# Altium PCB Tailsitter_pcb.PcbDoc
Units mm, origin at the board's own origin, x right, y up, seen from the top; angles counter-clockwise.
Board outline 55.99 x 40.07 mm, 2 copper layers (Top Layer, Bottom Layer); 62 components, 78 nets, 360 pads, 57 vias.
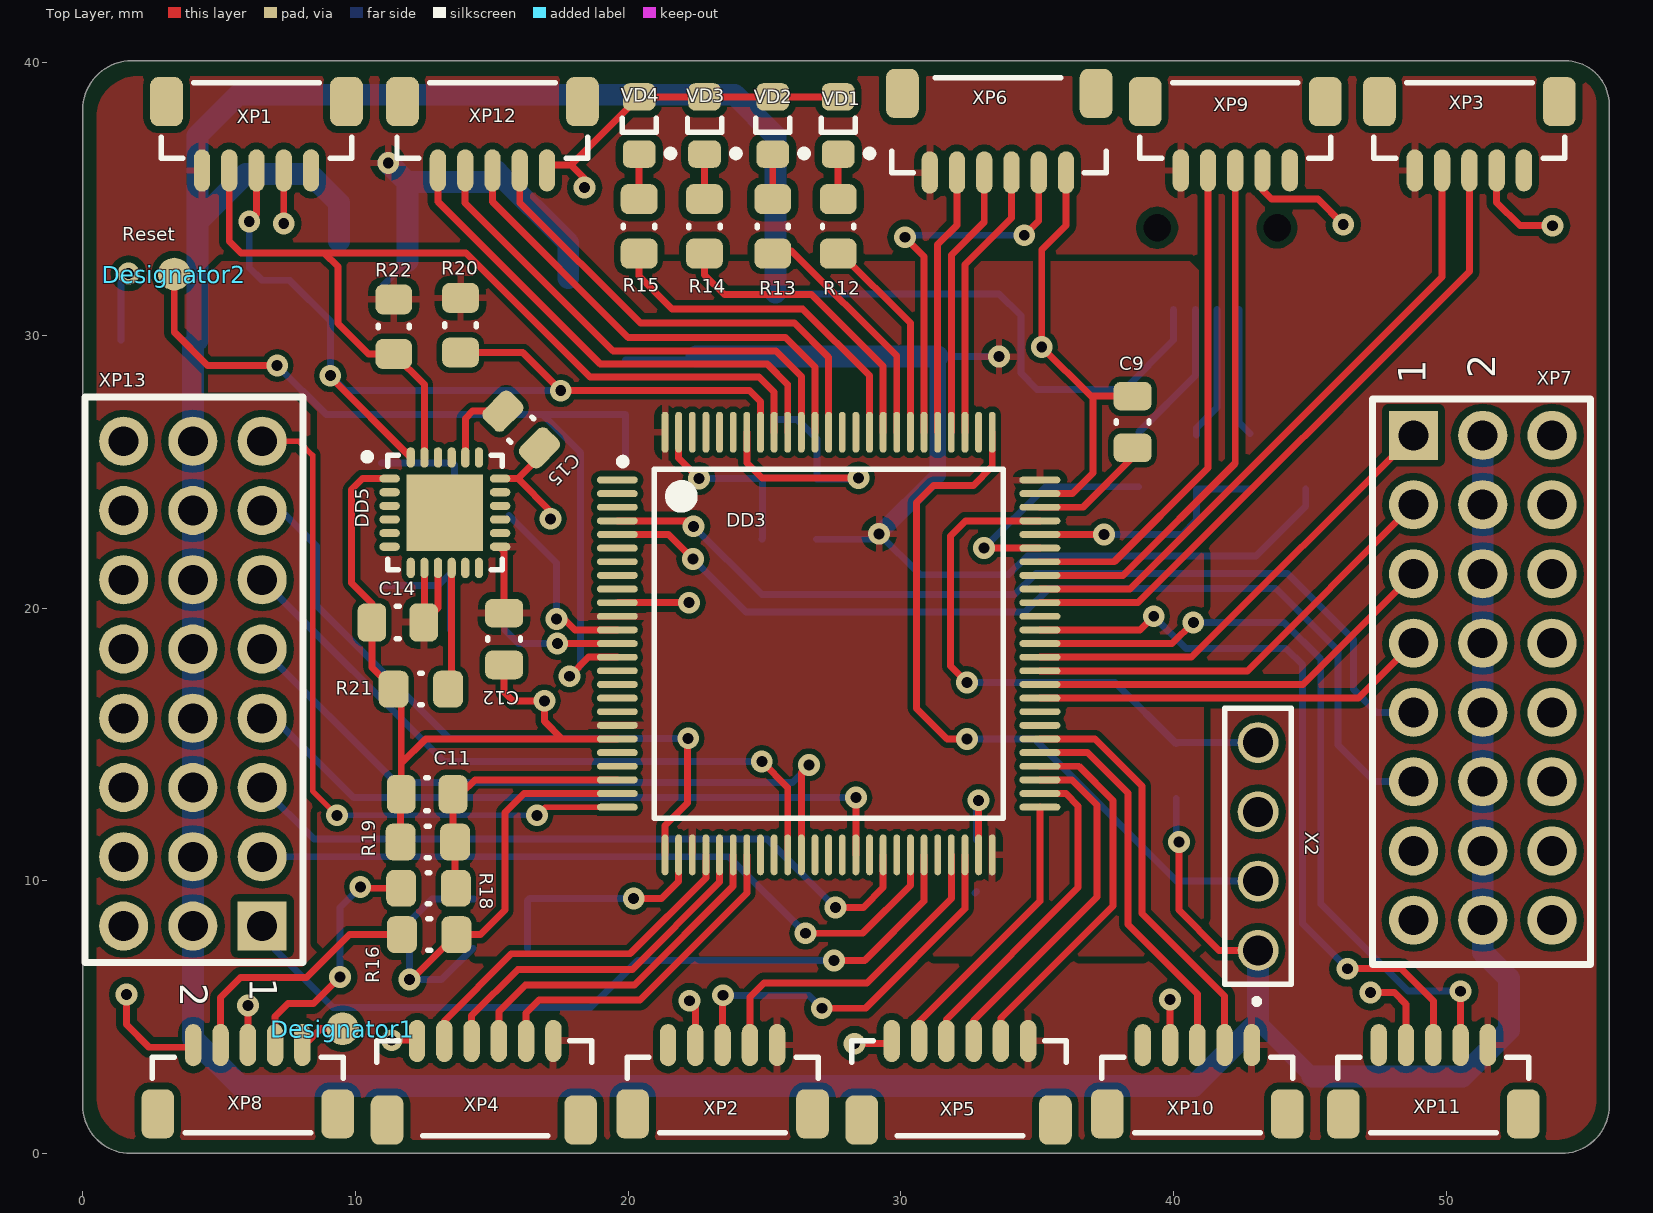
[diagram p0: Top Layer view]
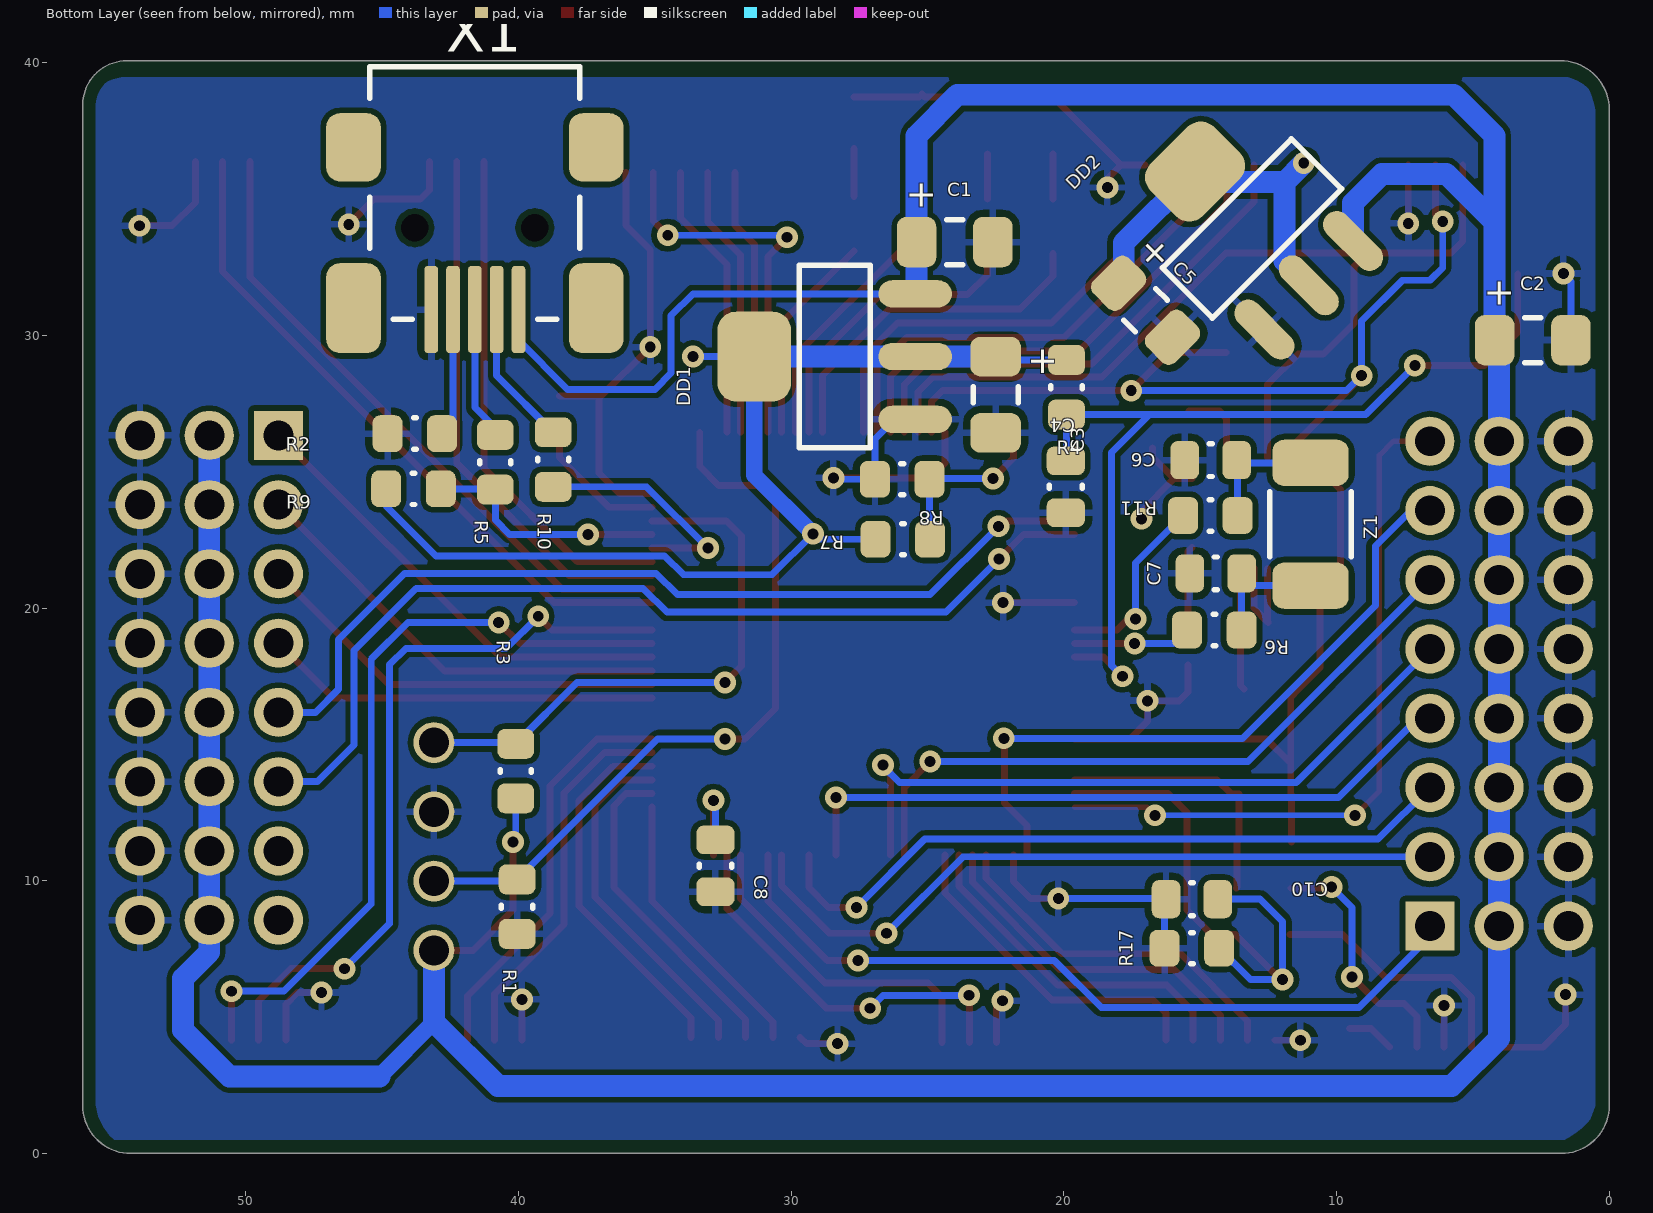
[diagram p1: Bottom Layer view, seen from below]

## Layer stack, top to bottom
Top Solder: solder mask 0.0102, Solder Resist, Dk 3.5
Top Layer: signal copper 0.0356
Dielectric 1: dielectric 0.32, FR-4, Dk 4.8
Bottom Layer: signal copper 0.0356
Bottom Solder: solder mask 0.0102, Solder Resist, Dk 3.5

## Board outline
1.763,0 cw(c1.75,1.755) -0.005,1.768 0,1.755 0,38.281 -0.005,38.269 cw(c1.788,38.281) 1.801,40.075 1.788,40.075 54.363,40.075 54.352,40.075 cw(c54.363,38.459) 55.98,38.447 55.975,38.459 55.975,1.755 55.98,1.768 cw(c54.225,1.755) 54.212,0 54.225,0

## Design rules (kind name [scope] priority, off if disabled: settings)
Clearance Clearance_3 [InNamedPolygon('5V_Top')] p1: gap=0.254 ignorepadtopadclearanceinfootprint=FALSE except(0: Arc-Hole Track-Hole SMDPad-Hole THPad-Hole Via-Hole Fill-Hole Poly-Hole Region-Hole Text-Hole)
Clearance Clearance_2 [InNamedPolygon('GND')] p2: gap=0.2 ignorepadtopadclearanceinfootprint=FALSE
Clearance Clearance_1 [InNamedPolygon('5V_Top_Layer')] p3: gap=0.2 ignorepadtopadclearanceinfootprint=FALSE
Clearance [InNamedPolygon('3.3_Top_Layer')] p4: gap=0.2 ignorepadtopadclearanceinfootprint=FALSE
Clearance My_Clearance_Rules [InNet('No Net')] p5: gap=0.2 ignorepadtopadclearanceinfootprint=FALSE
MinimumSolderMaskSliver MinimumSolderMaskSliver_1 [All] p1: minsoldermaskwidth=0.1
MinimumSolderMaskSliver [All] p2: minsoldermaskwidth=0.1
PolygonConnect [All] p1: connectstyle=Relief reliefconductorwidth=0.254 reliefentries=4 polygonreliefangle="90 Angle" airgapwidth=0.254
RoutingVias [All] p1: holewidth=0.4 width=0.8 viastyle="Through Hole" minholewidth=0.4 minwidth=0.8 maxholewidth=0.4 maxwidth=0.8
SolderMaskExpansion [All] p1: expansion=0.102
Width [InNet('No Net')] p1: maxlimit=0.254 minlimit=0.1 preferedwidth=0.254 toplayer_prefwidth=0.25 bottomlayer_minwidth=0.254 minimp=50.000000 maximp=50.000000 favimp=50.000000
29 further rules are at their usual default settings.

## Classes and differential pairs
component class Designator: C1 C2 C3 C4 C5 C6 C7 C8 C9 C10 C11 DD1 DD2 DD3 R1 R2 R3 R4 R5 R6 R7 R8 R9 R10 R11 R12 R13 R14 R15 R16 R17 R18 R19 VD1 VD2 VD3 VD4 X1 X2 XP1 XP2 XP3 XP4 XP5 XP6 XP7 XP8 XP9 XP10 XP11 XP12 XP13 Z1

## Components (designator, comment, footprint, x,y, rotation, side; value= is the part's Value field where it differs from the comment)
C1 "Cap El Case A (Tantalum)" "CAP CASE A" 24,33.425 r180 bottom
C2 "Cap El Case A (Tantalum)" "CAP CASE A" 2.8,29.825 r180 bottom
C3 "Cap El Case A (Tantalum)" "CAP CASE A" 22.5,27.825 r270 bottom
C4 "Cap EIA 0805" "CAP EIA 0805" 19.925,24.45 r90 bottom
C5 "Cap El Case A (Tantalum)" "CAP CASE A" 17,30.925 r225 bottom
C6 "Cap EIA 0805" "CAP EIA 0805" 14.611,25.427 r0 bottom
C7 "Cap EIA 0805" "CAP EIA 0805" 14.425,21.275 r0 bottom
C8 "Cap EIA 0805" "CAP EIA 0805" 32.775,10.55 r90 bottom value=2.2uF
C9 "Cap EIA 0805" "CAP EIA 0805" 38.5,26.825 r270 top value=2.2uF
C10 "Cap EIA 0805" "CAP EIA 0805" 15.3,9.325 r0 bottom value=100nF
C11 "Cap EIA 0805" "CAP EIA 0805" 12.625,13.175 r180 top
C12 "" "CAP EIA 0805" 15.45,18.865 r270 top
C14 "" "CAP EIA 0805" 11.55,19.475 r180 top
C15 "" "CAP EIA 0805" 16.075,26.55 r315 top
DD1 "LM1117S50" SOT-223_M 28.4,29.225 r90 bottom value="Регулятор напряжения LDO 800mA"
DD2 "LM1117S50" SOT-223_M 13.1,33.925 r135 bottom value="Регулятор напряжения LDO 800mA"
DD3 "STM32F407" "LQFP 14x14-100L" 27.35,18.7 r0 top value=Микроконтроллер
DD5 "MPU60x0" "(MPU60X0) QFP24" 13.275,23.5 r0 top
Designator1 "Comment" Pin 9.525,4.575 r0 top
Designator2 "Comment" Pin 3.35,32.25 r0 top
R1 "" "RES EIA 0805" 40.05,9.05 r270 bottom
R2 "Res EIA 0805" "RES EIA 0805" 43.8,26.4 r0 bottom value=100k
R3 "" "RES EIA 0805" 40.1,14.025 r90 bottom
R4 "Res EIA 0805" "RES EIA 0805" 19.9,28.1 r90 bottom
R5 "Res EIA 0805" "RES EIA 0805" 40.85,25.35 r270 bottom
R6 "Res EIA 0805" "RES EIA 0805" 14.475,19.2 r0 bottom
R7 "Res EIA 0805" "RES EIA 0805" 25.9,22.525 r0 bottom
R8 "Res EIA 0805" "RES EIA 0805" 25.925,24.725 r0 bottom
R9 "Res EIA 0805" "RES EIA 0805" 43.85,24.375 r180 bottom
R10 "Res EIA 0805" "RES EIA 0805" 38.725,25.45 r270 bottom
R11 "Res EIA 0805" "RES EIA 0805" 14.625,23.4 r0 bottom
R12 "Res EIA 0805" "RES EIA 0805" 27.7,34 r90 top value=510
R13 "Res EIA 0805" "RES EIA 0805" 25.3,34 r90 top value=510
R14 "Res EIA 0805" "RES EIA 0805" 22.8,34 r90 top value=510
R15 "Res EIA 0805" "RES EIA 0805" 20.4,34 r90 top value=510
R16 "Res EIA 0805" "RES EIA 0805" 12.7,8.025 r180 top
R17 "Res EIA 0805" "RES EIA 0805" 15.3,7.525 r180 bottom
R18 "Res EIA 0805" "RES EIA 0805" 12.675,9.725 r180 top
R19 "Res EIA 0805" "RES EIA 0805" 12.65,11.425 r0 top
R20 "" "RES EIA 0805" 13.85,30.375 r90 top
R21 "" "RES EIA 0805" 12.396,17.029 r0 top
R22 "" "RES EIA 0805" 11.4,30.325 r270 top
VD1 "KP-2012xxxx" "SMD LED 0805 (GREEN)" 27.7,37.7 r90 top value="Светодиод общего назначения - Цвет: Красный; N: 1; ?1:  645 нм; Iv1: 80 мкд; U: 2.6 В;"
VD2 "KP-2012xxxx" "SMD LED 0805 (GREEN)" 25.3,37.7 r90 top value="Светодиод общего назначения - Цвет: Красный; N: 1; ?1:  645 нм; Iv1: 80 мкд; U: 2.6 В;"
VD3 "KP-2012xxxx" "SMD LED 0805 (GREEN)" 22.8,37.7 r90 top value="Светодиод общего назначения - Цвет: Красный; N: 1; ?1:  645 нм; Iv1: 80 мкд; U: 2.6 В;"
VD4 "KP-2012xxxx" "SMD LED 0805 (GREEN)" 20.4,37.7 r90 top value="Светодиод общего назначения - Цвет: Красный; N: 1; ?1:  645 нм; Iv1: 80 мкд; U: 2.6 В;"
X1 "USB/M-1J" "USB/M-1J (DS1104)" 41.6,33.95 r0 bottom value="Разъем miniUSB (м) на плату"
X2 "" SWD 43.125,11.225 r90 top value="Вилка штыревая 2.54мм 1x4 прям"
XP1 "BM05B-SRSS-TB" BM05B-SRSS-TB 6.366,37.775 r0 top value="Разъем штыревой 5-и контактный угловой"
XP2 "BM05B-SRSS-TB" BM05B-SRSS-TB 23.462,2.251 r180 top value="Разъем штыревой 5-и контактный угловой"
XP3 "BM05B-SRSS-TB" BM05B-SRSS-TB 50.85,37.775 r0 top value="Разъем штыревой 5-и контактный угловой"
XP4 "Micro JST 6 pin" "Micro JST-6 pin" 14.756,2.327 r180 top
XP5 "Micro JST 6 pin" "Micro JST-6 pin" 32.168,2.327 r180 top
XP6 "Micro JST 6 pin" "Micro JST-6 pin" 33.558,37.775 r0 top
XP7 "PLD-24-3" PLD-24-3 48.8,16.175 r90 top
XP8 "BM05B-SRSS-TB" BM05B-SRSS-TB 6.05,2.251 r180 top value="Разъем штыревой 5-и контактный угловой"
XP9 "BM05B-SRSS-TB" BM05B-SRSS-TB 42.264,37.775 r0 top value="Разъем штыревой 5-и контактный угловой"
XP10 "BM05B-SRSS-TB" BM05B-SRSS-TB 40.873,2.251 r180 top value="Разъем штыревой 5-и контактный угловой"
XP11 "BM05B-SRSS-TB" BM05B-SRSS-TB 49.528,2.251 r180 top value="Разъем штыревой 5-и контактный угловой"
XP12 "BM05B-SRSS-TB" BM05B-SRSS-TB 15.021,37.775 r0 top value="Разъем штыревой 5-и контактный угловой"
XP13 "PLD-24-3" PLD-24-3 6.575,18.5 r270 top
Z1 "ABM3-8.000MHZ-D2Y-T" "bq smd 5x3.2" 10.95,23.075 r270 bottom value="8 МГц; PPM25°C: 20 ppm; PPMТраб: 30 ppm; Монтаж: SMD; CНагр: 18 пФ"

## Footprints (in the part's own frame and the unit in brackets; to place one, negate y for a bottom-side part, rotate by r counter-clockwise, add the part's x,y. Pads: shape width x height; smd on the part's side, far side on the other; paste and mask are expansions set on the pad)
"(MPU60X0) QFP24" [mm] "Pattern for moving sensors"
  oval 0.75x0.3 smd: 1(-2.025,1.25) 2(-2.025,0.75) 3(-2.025,0.25) 4(-2.025,-0.25) 5(-2.025,-0.75) 6(-2.025,-1.25) 13(2.025,-1.25) 14(2.025,-0.75) 15(2.025,-0.25) 16(2.025,0.25) 17(2.025,0.75) 18(2.025,1.25)
  oval 0.3x0.75 smd: 7(-1.25,-2.025) 8(-0.75,-2.025) 9(-0.25,-2.025) 10(0.25,-2.025) 11(0.75,-2.025) 12(1.25,-2.025) 19(1.25,2.025) 20(0.75,2.025) 21(0.25,2.025) 22(-0.25,2.025) 23(-0.75,2.025) 24(-1.25,2.025)
  rect 2.8x2.8 smd: 25(0,0)
  silkscreen extent -2.97,-2.1 2.1,2.17, body extent -2.02,-2.02 2.02,2.02, height 0.88
BM05B-SRSS-TB [mm]
  rrect50% 1.2x1.8 smd: 0(-3.3,0.8) 0(3.3,0.8)
  oval 0.6x1.55 smd: 1(-2,-1.725) 2(-1,-1.725) 3(0,-1.725) 4(1,-1.725) 5(2,-1.72)
  silkscreen extent -3.5,-1.28 3.5,1.5, body extent -3.5,-2.07 3.5,1.53, height 4.25
"bq smd 5x3.2" [mm]
  rrect50% 1.7x2.8 smd: 1(-2.25,0) 2(2.25,0)
  silkscreen extent -1.2,-1.5 1.2,1.5, body extent -2.5,-1.61 2.51,1.61, height 1.22
"CAP CASE A" [mm] "Chip Capacitor, 2-Leads, Body 3.20x1.60mm, IPC Medium Density"
  rrect50% 1.45x1.85 smd: 1(-1.4,0) 2(1.4,0)
  silkscreen extent -0.3,-0.82 0.3,0.82, body extent -1.7,-0.8 1.7,0.8, height 1.64
"CAP EIA 0805" [mm] "Chip Capacitor, 2-Leads, Body 2.00x1.25mm, IPC Medium Density"
  rrect50% 1.05x1.4 smd: 1(-0.95,0) 2(0.95,0)
  silkscreen extent -0.05,-0.6 0.05,0.6, body extent -1,-0.62 1,0.63, height 0.78
"LQFP 14x14-100L" [mm] "LQFP, 100-Leads, Body 14,00x14,00mm, Pitch 0,50mm, IPC High Density"
  oval 1.5x0.25 smd: 1(-7.75,6) 2(-7.75,5.5) 3(-7.75,5) 4(-7.75,4.5) 5(-7.75,4) 6(-7.75,3.5) 7(-7.75,3) 8(-7.75,2.5) 9(-7.75,2) 10(-7.75,1.5) 11(-7.75,1) 12(-7.75,0.5) 13(-7.75,0) 14(-7.75,-0.5) 15(-7.75,-1) 16(-7.75,-1.5) 17(-7.75,-2) 18(-7.75,-2.5) 19(-7.75,-3) 20(-7.75,-3.5) 21(-7.75,-4) 22(-7.75,-4.5) 23(-7.75,-5) 24(-7.75,-5.5) 25(-7.75,-6) 51(7.75,-6) 52(7.75,-5.5) 53(7.75,-5) 54(7.75,-4.5) 55(7.75,-4) 56(7.75,-3.5) 57(7.75,-3) 58(7.75,-2.5) 59(7.75,-2) 60(7.75,-1.5) 61(7.75,-1) 62(7.75,-0.5) 63(7.75,0) 64(7.75,0.5) 65(7.75,1) 66(7.75,1.5) 67(7.75,2) 68(7.75,2.5) 69(7.75,3) 70(7.75,3.5) 71(7.75,4) 72(7.75,4.5) 73(7.75,5) 74(7.75,5.5) 75(7.75,6)
  oval 0.25x1.5 smd: 26(-6,-7.75) 27(-5.5,-7.75) 28(-5,-7.75) 29(-4.5,-7.75) 30(-4,-7.75) 31(-3.5,-7.75) 32(-3,-7.75) 33(-2.5,-7.75) 34(-2,-7.75) 35(-1.5,-7.75) 36(-1,-7.75) 37(-0.5,-7.75) 38(0,-7.75) 39(0.5,-7.75) 40(1,-7.75) 41(1.5,-7.75) 42(2,-7.75) 43(2.5,-7.75) 44(3,-7.75) 45(3.5,-7.75) 46(4,-7.75) 47(4.5,-7.75) 48(5,-7.75) 49(5.5,-7.75) 50(6,-7.75) 76(6,7.75) 77(5.5,7.75) 78(5,7.75) 79(4.5,7.75) 80(4,7.75) 81(3.5,7.75) 82(3,7.75) 83(2.5,7.75) 84(2,7.75) 85(1.5,7.75) 86(1,7.75) 87(0.5,7.75) 88(0,7.75) 89(-0.5,7.75) 90(-1,7.75) 91(-1.5,7.75) 92(-2,7.75) 93(-2.5,7.75) 94(-3,7.75) 95(-3.5,7.75) 96(-4,7.75) 97(-4.5,7.75) 98(-5,7.75) 99(-5.5,7.75) 100(-6,7.75)
  silkscreen extent -7.67,-6.4 6.4,6.8, body extent -8,-8 8,8, height 1.6
"Micro JST-6 pin" [mm]
  rrect50% 1.2x1.8 smd: 0(-3.5,1.1) 0(3.6,1.1)
  oval 0.6x1.55 smd: 1(-2.5,-1.8) 2(-1.5,-1.8) 3(-0.5,-1.8) 4(0.5,-1.8) 5(1.5,-1.8) 6(2.5,-1.8)
  silkscreen extent -3.9,-1.8 3.98,1.68, body extent -3.98,-1.8 4.03,1.8, height 4.25
Pin [mm]
  round 1.2 smd: 1(0,0)
PLD-24-3 [mm] "Standart type connector for RC-models"
  rect 1.8x1.8 hole 1.1: 1(10.16,0)
  round 1.8 hole 1.1: 2(7.62,0) 3(5.08,0) 4(2.54,0) 5(0,0) 6(-2.54,0) 7(-5.08,0) 8(-7.62,0) 9(10.16,-2.54) 10(7.62,-2.54) 11(5.08,-2.54) 12(2.54,-2.54) 13(0,-2.54) 14(-2.54,-2.54) 15(-5.08,-2.54) 16(-7.62,-2.54) 17(10.16,-5.08) 18(7.62,-5.08) 19(5.08,-5.08) 20(2.54,-5.08) 21(0,-5.08) 22(-2.54,-5.08) 23(-5.08,-5.08) 24(-7.62,-5.08)
  silkscreen extent -9.25,-6.5 11.5,1.5
"RES EIA 0805" [mm] "Chip Resistor, 2-Leads, Body 2.10x1.30mm, IPC Medium Density"
  rrect50% 1.1x1.35 smd: 1(-1,0) 2(1,0)
  silkscreen extent -0.05,-0.58 0.05,0.57, body extent -1,-0.63 1,0.62, height 0.78
"SMD LED 0805 (GREEN)" [mm]
  rrect50% 1x1.2 smd: 1(-1.05,0) 2(1.05,0)
  silkscreen extent -1.15,-1.27 0.28,0.63, body extent -1.01,-0.62 1.01,0.63, height 1.1
SOT-223_M [mm] "SOT223, 4-Leads, Body 6.5x3.5mm, Pitch 2.3mm, Lead Span 7mm, IPC Low Density"
  oval 1x2.7 smd: 1(-2.3,-2.95) 2(0,-2.95) 3(2.3,-2.95)
  rrect50% 3.3x2.7 smd: 4(0,2.95)
  silkscreen extent -3.35,-1.3 3.35,1.3, body extent -3.25,-3.49 3.25,3.4, height 1.7
SWD [mm]
  round 1.5 hole 1.1: 1(-3.775,0.025) 2(-1.235,0.025) 3(1.305,0.025) 4(3.845,0.025)
  silkscreen extent -5.75,-1.2 5.1,1.25, body extent -5.11,-1.2 5.04,1.34, height 8.54
"USB/M-1J (DS1104)" [mm]
  round 0.9 hole 1: 0(-2.2,0) 0(2.2,0)
  rrect50% 0.5x3.2 smd: 1(-1.6,3) 2(-0.8,3) 3(0,3) 4(0.8,3) 5(1.6,3)
  rrect50% 2x2.5 smd: 6(-4.45,-2.95) 6(4.45,-2.95)
  rrect50% 2x3.3 smd: 6(-4.45,2.95) 6(4.45,2.95)
  silkscreen extent -3.85,-5.9 3.85,3.35, body extent -4.95,-5.9 4.95,3.35, height 4.03

## Part data
C12 C14 C15: library part "Cap EIA 0805", Group=Конденсаторы
DD1 DD2: "LDO Voltage Regulator", Manufacturer="ST Microelectronics", Group=Микросхемы, Name=LM1117S50, Supplier="ООО \"Торгэлектроника\""
DD3: "ARM Cortex-M4 MCU with 1 Mbytes Flash, 168 MHz CPU", Manufacturer=ST, Group=Микросхемы, Name=STM32F407VG, Supplier="ООО\"Торгэлектроника\""
DD5: "6DOF SENSOR"
R1 R3 R20 R21 R22: library part "Res EIA 0805", Group=Резисторы
VD1 VD2 VD3 VD4: library part FYLS-0805xxxx, "SMD Led", Manufacture="Foryard (FORYARD)", Group=Диоды, Name=KP-2012xxxx, Supplier="ООО \"Компэл\""
X1: "Mini USB Receptacle", Manufacturer=Connfly, Group=Разъемы, Name="USB/M-1J (DS1104)", Supplier="ООО\"Торгэлектроника\""
X2: library part "SWD(PLS- 4)", Manufacturer=Тайвань(Китай), Group=Разъемы, Name="PLS- 4", Supplier="ООО\"Торгэлектроника\""
XP1 XP2 XP3 XP8 XP9 XP10 XP11 XP12: "5-Pin Angle Connector", Manufacturer=JST, Group=Разъемы, Name=BM05B-SRSS-TB, Supplier="ООО\"Компэл\""
XP4 XP5 XP6: library part "Micro JST-6 pin", Group=Разъемы, Производитель=JST
XP7 XP13: "Разъем для подключение RC-приемника или регуляторов хода"
Z1: Manufacturer=ABRACON, Group="Кварцевые резонаторы", Name=ABM3-8.000MHZ-D2Y-T, Supplier="ООО\"Торгэлектроника\""
C1 C2 C3 C4 C5 C6 C7 C8 C9 C10 C11: Group=Конденсаторы
R2 R4 R5 R6 R7 R8 R9 R10 R11 R12 R13 R14 R15 R16 R17 R18 R19: Group=Резисторы

## Via types
v1: diameter 0.8, hole 0.4, Top Layer to Bottom Layer, 57 vias

## Nets (pads, with @x,y where several pads share a name; then routed paths per layer and width w, separated by ;. In a path a pad name is that pad's centre, name@x,y a point inside that pad or via, vN(x,y) a via of type N, cw(c..) or ccw(c..) an arc to the next point about the centre after c; other vN are vias at no path point)
3.3V: C3.1 C12.1 C14.1 DD1.2 DD1.4 DD3.11 DD3.19 DD3.28 DD3.50 DD3.75 DD3.100 DD5.8 DD5.9 DD5.13 R4.2 R7.2 R9.1 R20.2 R22.1 | length 48.1
  Top Layer w0.254: C14.1 C14.1@12.525,19.5 ; DD5.8@12.525,21.446 C14.1@12.525,19.5 ; DD5.9 13.025,20 C14.1@12.525,19.5 ; DD5.13@15.3,22.221 15.45,22.071 C12.1
  Bottom Layer w0.254: R4.2 22.375,29.1 C3.1 ; R7.2 29,22.525 v1(29.2,22.725) 30.7,21.225 33.95,21.225 34.637,21.913 43.025,21.913 44.85,23.738 R9.1 ; DD1.4 v1(33.6,29.225)
  Bottom Layer w0.6: v1(29.2,22.725) 31.35,24.875 DD1.4
  Bottom Layer w0.8: C3.1 DD1.2 DD1.4
ADC_1: C11.1 DD3.23 R18.1 R19.2 | length 9.7
  Top Layer w0.254: R18.1 13.65,9.75 R19.2 13.575,11.5 C11.1 13.85,13.175 14.375,13.7 DD3.23
ADC_2: C10.1 DD3.24 R16.1 R17.2 | length 20.2
  Top Layer w0.254: v1(11.975,6.375) 12.05,6.375 R16.1 14.575,8.025 15.475,8.925 15.475,12.5 16.175,13.2 DD3.24
  Bottom Layer w0.254: R17.2 13.15,6.375 v1(11.975,6.375) 11.975,8.5 12.8,9.325 C10.1
GND: C1.2 C2.2 C3.2 C4.1 C5.2 C6.2 C7.2 C8.1 C9.1 C10.2 C11.2 C12.2 C14.2 C15.2 DD1.1 DD2.1 DD3.10 DD3.20 DD3.27 DD3.74 DD3.94 DD5.1 DD5.18 R1.2 R2.2 R8.2 R17.1 R19.1 R21.1 VD1.2 VD2.2 VD3.2 VD4.2 X1.5 X2.3 XP1.4 XP2.4 XP3.4 XP4.6 XP5.6 XP6.6 XP7.17 XP7.18 XP7.19 XP7.20 XP7.21 XP7.22 XP7.23 XP7.24 XP8.3 XP8.5 XP9.4 XP10.4 XP11.4 XP12.5 XP13.17 XP13.18 XP13.19 XP13.20 XP13.21 XP13.22 XP13.23 XP13.24 | length 109.1
  Top Layer w0.254: v1(1.6,5.825) 1.6,4.725 2.43,3.895 XP8.5@4.05,3.895 ; XP8.3@6.05,3.9 XP8.3 v1(6.05,5.425) ; v1(7.366,34.108) XP1.4 XP1.4@7.366,36.25 ; DD5.1 10.25,24.75 9.85,24.35 9.85,20.925 10.6,20.175 C14.2 10.6,17.825 R21.1 11.675,16.75 11.675,14.3 ; v1(11.325,4.15) XP4.6@12.256,4.15 ; R19.1 11.65,13.15 C11.2 11.675,14.3 ; DD5.18 15.95,24.75 ; C12.2 15.45,16.925 15.775,16.6 v1(16.925,16.6) 16.925,15.85 17.575,15.2 ; C15.2 16.747,25.547 15.95,24.75 ; XP12.5@17.021,36.255 17.905,36.255 ; v1(17.15,23.275) 17.15,23.55 15.95,24.75 ; v1(18.4,35.425) 18.4,35.76 17.905,36.255 ; DD3.20 17.575,15.2 ; DD3.10 v1(22.225,20.2) ; v1(20.2,9.35) 21.225,9.35 21.85,9.975 DD3.27 ; v1(22.25,5.6) 22.462,5.388 XP2.4@22.462,4.075 ; DD3.94 24.35,25.325 24.9,24.775 v1(28.45,24.775) ; VD2.2@25.2,38.85 25.1,38.75 VD4.2 17.905,36.255 ; VD2.2 VD1.2 ; v1(28.3,4.025) 29.443,4.025 XP5.6@29.668,4.25 ; DD3.74 36.3,24.2 37.05,24.95 37.05,27.691 36.966,27.775 ; XP6.6 36.058,34.033 35.166,33.141 v1(35.166,29.575) 36.966,27.775 ; C9.1 36.966,27.775 ; XP10.4@39.873,4.15 39.873,5.648 v1(39.875,5.65) ; XP9.4@43.264,36.375 XP9.4 43.264,35.336 43.6,35 45.3,35 v1(46.225,34.075) ; v1(47.225,5.9) 48.1,5.9 48.528,5.472 XP11.4@48.528,4.15 ; XP3.4@51.85,36.375 XP3.4 51.85,34.875 52.7,34.025 v1(53.9,34.025) ; 11.675,14.3 12.575,15.2 17.575,15.2
  Bottom Layer w0.254: C2.2 1.4,31.975 1.675,32.25 v1(1.675,32.275) ; R17.1 16.3,9.275 16.375,9.35 v1(20.2,9.35) ; v1@16.825,16.7 v1(16.925,16.6) ; DD1.1 26.2,26.925 26.925,26.2 R8.2 28.4,24.725 v1(28.45,24.775) ; C8.1@32.725,9.55 C8.1
LED1: DD3.82 R12.1 | length 7.7
  Top Layer w0.254: R12.1@27.7,33.1 30.35,30.45 DD3.82
LED2: DD3.83 R13.1 | length 8.9
  Top Layer w0.254: R13.1@25.3,33.1 25.989,33.1 29.85,29.239 DD3.83
LED3: DD3.84 R14.1 | length 11.1
  Top Layer w0.254: R14.1 22.8,32.225 23.525,31.5 26.725,31.5 29.35,28.875 DD3.84
LED4: DD3.85 R15.1 | length 12.9
  Top Layer w0.254: R15.1 20.4,32.175 21.6,30.975 26.4,30.975 28.85,28.525 DD3.85
NetC4_2: C4.2 DD3.14 Designator2.1 R4.1 | length 34
  Top Layer w0.254: Designator2.1 3.35,30.125 4.575,28.9 v1(7.125,28.9) ; v1(17.85,17.5) 18.55,18.2 DD3.14
  Bottom Layer w0.254: v1(7.125,28.9) 8.925,27.1 16.85,27.1 ; v1(17.85,17.5) 18.25,17.9 18.25,25.7 16.85,27.1 ; C4.2 19.9,25.425 R4.1 16.85,27.1
NetC6_1: C6.1 R11.1 Z1.1 | length 4.6
  Bottom Layer w0.254: Z1.1 13.559,25.325 13.625,25.259 R11.1
NetC7_1: C7.1 R6.1 Z1.2 | length 4.8
  Bottom Layer w0.254: Z1.2 13.025,20.825 C7.1 R6.1
NetC8_2: C8.2 DD3.49 | length 3.5
  Top Layer w0.254: DD3.49 v1(32.85,12.95)
  Bottom Layer w0.254: C8.2 32.775,12.875 v1(32.85,12.95)
NetC9_2: C9.2 DD3.73 | length 4.5
  Top Layer w0.254: DD3.73 36.675,23.7 38.5,25.525 C9.2
NetC15_1: C15.1 DD5.20 | length 2.9
  Top Layer w0.254: DD5.20@14.025,25.496 DD5.20 14.025,26.95 14.297,27.222 C15.1
NetDD3_12: DD3.12 R11.2 | length 6.9
  Top Layer w0.254: v1(17.375,19.6) 17.65,19.6 18.05,19.2 DD3.12
  Bottom Layer w0.254: R11.2 17.375,21.65 v1(17.375,19.6)
NetDD3_13: DD3.13 R6.2 | length 4.3
  Top Layer w0.254: v1(17.4,18.7) DD3.13
  Bottom Layer w0.254: R6.2 15.975,18.7 v1(17.4,18.7)
NetDD3_70: DD3.70 R10.2 | length 8.7
  Top Layer w0.254: v1(33.05,22.2) DD3.70
  Bottom Layer w0.254: v1(33.05,22.2) 35.3,24.45 R10.2
NetDD3_71: DD3.71 R5.2 R9.2 | length 9.1
  Top Layer w0.254: DD3.71 v1(37.45,22.7)
  Bottom Layer w0.254: v1(37.45,22.7) 40.325,22.7 40.85,23.225 R5.2 40.875,24.375 R9.2
NetDD3_99: DD3.99 R7.1 R8.1 | length 6.6
  Top Layer w0.254: DD3.99 21.85,25.5 v1(22.6,24.75)
  Bottom Layer w0.254: v1(22.6,24.75) 24.9,24.75 R8.1 24.925,22.55 R7.1
NetDD5_6: DD5.6
NetDD5_7: DD5.7
NetDD5_10: DD5.10 R21.2 | length 4.5
  Top Layer w0.254: R21.2 13.525,17.159 DD5.10@13.525,21.446
NetR2_1: R2.1 X1.4 | length 4.7
  Bottom Layer w0.254: X1.4 42.4,26.8 R2.1
NetR12_2: R12.2 VD1.1 | length 1.8
  Top Layer w0.254: R12.2@27.7,35.1 VD1.1@27.7,36.85
NetR13_2: R13.2 VD2.1 | length 1.7
  Top Layer w0.254: R13.2@25.3,35.1 VD2.1 VD2.1@25.3,36.85
NetR14_2: R14.2 VD3.1 | length 1.6
  Top Layer w0.254: R14.2 VD3.1
NetR15_2: R15.2 VD4.1 | length 1.7
  Top Layer w0.254: R15.2 VD4.1
NetR16_2: R16.2 XP8.4 | length 9.4
  Top Layer w0.254: XP8.4@5.05,3.9 XP8.4 5.05,5.725 5.775,6.45 8.2,6.45 9.775,8.025 R16.2
NetR18_2: R18.2 XP8.2 | length 9.3
  Top Layer w0.254: XP8.2@7.05,3.9 XP8.2 7.05,5.025 7.525,5.5 8.45,5.5 v1(9.425,6.475) ; v1(10.175,9.775) 10.225,9.725 R18.2
  Bottom Layer w0.254: v1(9.425,6.475) 9.425,9.025 v1(10.175,9.775) v1@10.2,9.75
NetX5_1: Designator1.1 XP8.1 | length 1.8
  Top Layer w0.254: XP8.1@8.05,3.9 8.725,4.575 Designator1.1
PA2: DD3.25 XP13.8 | length 26
  Top Layer w0.2: XP13.8 7.905,26.12 8.425,25.6 8.425,13.3 v1(9.325,12.4) ; v1(16.65,12.4) 16.95,12.7 DD3.25
  Bottom Layer w0.2: v1(9.325,12.4) v1(16.65,12.4)
PA3: DD3.26 XP13.7 | length 25
  Top Layer w0.254: DD3.26 21.35,12.025 22.175,12.85 22.175,15.2 v1(22.2,15.225)
  Bottom Layer w0.254: XP13.7 7.27,23.58 8.575,22.275 8.575,20.1 13.45,15.225 v1(22.2,15.225)
PA4: DD3.29 XP4.5 | length 13.3
  Top Layer w0.254: XP4.5@13.256,4.15 13.256,4.856 15.725,7.325 20.075,7.325 22.85,10.1 DD3.29
PA5: DD3.30 XP4.4 | length 13
  Top Layer w0.254: XP4.4@14.256,4.15 14.256,5.056 15.95,6.75 20.15,6.75 23.35,9.95 DD3.30
PA6: DD3.31 XP4.3 | length 12.7
  Top Layer w0.254: XP4.3@15.256,4.15 15.256,5.206 16.225,6.175 20.225,6.175 23.85,9.8 DD3.31
PA7: DD3.32 XP4.2 | length 12.3
  Top Layer w0.254: XP4.2@16.256,4.15 16.256,5.156 16.725,5.625 20.425,5.625 24.35,9.55 DD3.32
PA8: DD3.67 XP3.2 | length 23.7
  Top Layer w0.254: DD3.67 38.4,20.7 49.85,32.15 XP3.2 XP3.2@49.85,36.375
PA9: DD3.68 XP9.3 | length 19.9
  Top Layer w0.254: DD3.68 38.15,21.2 42.264,25.314 XP9.3 XP9.3@42.264,36.375
PA10: DD3.69 XP9.2 | length 18.8
  Top Layer w0.254: DD3.69 37.825,21.7 41.264,25.139 XP9.2 XP9.2@41.264,36.375
PA13: DD3.72 R3.2 X2.4 | length 20.8
  Top Layer w0.254: v1(32.425,17.275) 31.825,17.875 31.825,22.65 32.375,23.2 DD3.72
  Bottom Layer w0.254: v1(32.425,17.275) 37.85,17.275 R3.2 40.145,15.07 X2.4
PA14: DD3.76 R1.1 X2.2 | length 27.3
  Top Layer w0.254: v1(32.425,15.2) 31.7,15.2 30.575,16.325 30.575,23.875 31.2,24.5 32.662,24.5 33.35,25.188 DD3.76
  Bottom Layer w0.254: v1(32.425,15.2) 34.9,15.2 R1.1 40.11,9.99 X2.2
PB0: DD3.35 XP13.6 | length 24.9
  Top Layer w0.254: v1(24.9,14.375) 25.85,13.425 DD3.35
  Bottom Layer w0.254: XP13.6 13.24,14.375 v1(24.9,14.375)
PB1: DD3.36 XP13.5 | length 25.7
  Top Layer w0.254: DD3.36 26.35,13.975 v1(26.625,14.25)
  Bottom Layer w0.254: XP13.5 11.475,13.6 26.025,13.6 v1@26.625,14.2
PB3: DD3.89 XP12.3 | length 18.1
  Top Layer w0.254: XP12.3@15.021,36.25 XP12.3 15.021,34.904 20,29.925 25.775,29.925 26.85,28.85 DD3.89
PB4: DD3.90 XP12.2 | length 18.4
  Top Layer w0.254: XP12.2@14.021,36.25 XP12.2 14.021,34.854 19.45,29.425 25.425,29.425 26.35,28.5 DD3.90
PB5: DD3.91 XP12.1 | length 18.7
  Top Layer w0.254: XP12.1@13.021,36.25 XP12.1 13.021,34.904 18.975,28.95 25.1,28.95 25.85,28.2 DD3.91
PB6: DD3.92 DD5.23 R22.2 XP1.2 | length 36.1
  Top Layer w0.254: XP1.2@5.366,36.25 XP1.2 5.366,33.459 5.8,33.025 8.85,33.025 ; DD5.23 12.525,28.2 R22.2 10.472,29.325 9.35,30.447 9.35,32.525 8.85,33.025 ; DD3.92 25.35,27.925 24.8,28.475 18.6,28.475 14.05,33.025 8.85,33.025
PB7: DD3.93 DD5.24 R20.1 XP1.3 | length 35.2
  Top Layer w0.254: v1(6.1,34.175) 6.366,34.441 XP1.3 XP1.3@6.366,36.25 ; v1(9.075,28.525) 9.075,28.475 DD5.24 ; R20.1@14.042,29.367 16.133,29.367 v1(17.525,27.975) 24.45,27.975 24.85,27.575 DD3.93
  Bottom Layer w0.254: v1(6.1,34.175) 6.1,32.5 6.575,32.025 7.575,32.025 9.075,30.525 v1(9.075,28.525) 9.625,27.975 v1(17.525,27.975)
PB10: DD3.47 XP2.2 | length 12.1
  Top Layer w0.254: XP2.2@24.462,4.075 24.462,5.737 24.975,6.25 28.75,6.25 31.85,9.35 DD3.47
PB11: DD3.48 XP2.3 | length 14.3
  Top Layer w0.254: XP2.3@23.462,4.075 23.462,5.787 v1(23.475,5.8) ; v1(27.1,5.325) 28.7,5.325 32.35,8.975 DD3.48
  Bottom Layer w0.254: v1(23.475,5.8) 26.625,5.8 v1(27.1,5.325)
PB12: DD3.51 XP5.5 | length 10.3
  Top Layer w0.254: XP5.5@30.668,4.25 30.668,4.818 35.1,9.25 DD3.51
PB13: DD3.52 XP5.4 | length 12.1
  Top Layer w0.254: XP5.4@31.668,4.25 31.668,4.918 36.5,9.75 36.5,12.75 36.05,13.2 DD3.52
PB14: DD3.53 XP5.3 | length 12.9
  Top Layer w0.254: XP5.3@32.668,4.25 32.668,4.868 37.2,9.4 37.2,12.775 36.275,13.7 DD3.53
PB15: DD3.54 XP5.2 | length 13.6
  Top Layer w0.254: XP5.2@33.668,4.25 33.668,4.968 37.775,9.075 37.775,12.95 36.525,14.2 DD3.54
PC6: DD3.63 XP11.2 | length 28.4
  Top Layer w0.254: DD3.63 39.95,18.7 v1(40.725,19.475) ; v1(50.525,5.95) 50.528,5.947 XP11.2@50.528,4.15
  Bottom Layer w0.254: v1(40.725,19.475) 44.05,19.475 45.4,18.125 45.4,9.15 48.6,5.95 v1(50.525,5.95)
PC7: DD3.64 XP11.3 | length 27.5
  Top Layer w0.254: DD3.64 38.775,19.2 v1(39.275,19.7) ; v1(46.375,6.775) 48.35,6.775 49.528,5.597 XP11.3@49.528,4.15
  Bottom Layer w0.254: v1(39.275,19.7) 40.45,18.525 44.125,18.525 44.725,17.925 44.725,8.425 v1(46.375,6.775)
PC9: DD3.66 XP3.3 | length 24.8
  Top Layer w0.254: DD3.66 38.7,20.2 50.85,32.35 XP3.3 XP3.3@50.85,36.375
PC10: DD3.78 XP6.4 | length 10.2
  Top Layer w0.254: DD3.78 32.35,32.6 34.058,34.308 XP6.4
PC11: DD3.79 XP6.3 | length 10
  Top Layer w0.254: DD3.79 31.85,32.95 33.058,34.158 XP6.3
PC12: DD3.80 XP6.2 | length 9.8
  Top Layer w0.254: DD3.80 31.35,33.334 32.058,34.042 XP6.2
PD0: DD3.81 XP6.5 | length 14.4
  Top Layer w0.254: v1(30.15,33.6) 30.85,32.9 DD3.81 ; v1(34.525,33.675) 35.058,34.208 XP6.5
  Bottom Layer w0.254: v1(30.15,33.6) 30.15,33.675 v1(34.525,33.675)
PD7: DD3.88 XP12.4 | length 17.8
  Top Layer w0.254: XP12.4@16.021,36.25 XP12.4 16.021,34.879 20.45,30.45 26.1,30.45 27.35,29.2 DD3.88
PD8: DD3.55 XP10.3 | length 14
  Top Layer w0.254: DD3.55 36.852,14.7 38.326,13.226 38.326,8.399 40.873,5.852 XP10.3@40.873,4.15
PD9: DD3.56 XP10.2 | length 15
  Top Layer w0.254: DD3.56 37.125,15.2 38.85,13.475 38.85,8.8 41.873,5.777 XP10.2@41.873,4.15
PD12: DD3.59 XP7.4 | length 14.5
  Top Layer w0.254: DD3.59 46.785,16.7 XP7.4
PD13: DD3.60 XP7.3 | length 15.4
  Top Layer w0.254: DD3.60 44.745,17.2 XP7.3
PD14: DD3.61 XP7.2 | length 16.2
  Top Layer w0.254: DD3.61 42.705,17.7 XP7.2
PD15: DD3.62 XP7.1 | length 17.1
  Top Layer w0.254: DD3.62 40.665,18.2 XP7.1
PE5: DD3.4 XP7.5 | length 34.3
  Top Layer w0.254: DD3.4 22.2,23.2 v1(22.4,23) ; XP7.5@48.475,15.85 XP7.5
  Bottom Layer w0.254: v1(22.4,23) 24.9,20.5 34.175,20.5 34.95,21.275 44.175,21.275 46.6,18.85 46.6,17.025 47.45,16.175 XP7.5
PE6: DD3.5 XP7.6 | length 35.7
  Top Layer w0.254: DD3.5 21.475,22.7 v1(22.375,21.8)
  Bottom Layer w0.254: v1(22.375,21.8) 24.325,19.85 34.55,19.85 35.425,20.725 43.75,20.725 46.025,18.45 46.025,14.975 47.365,13.635 XP7.6
PE9: DD3.40 XP13.4 | length 25.1
  Top Layer w0.254: DD3.40 v1(28.35,13.05)
  Bottom Layer w0.254: XP13.4 7.015,15.96 9.925,13.05 v1(28.35,13.05)
PE11: DD3.42 XP13.3 | length 26.1
  Top Layer w0.254: v1(27.6,9.025) 28.625,9.025 29.35,9.75 DD3.42
  Bottom Layer w0.254: XP13.3 8.47,11.525 25.1,11.525 v1(27.6,9.025)
PE13: DD3.44 XP13.2 | length 26.8
  Top Layer w0.254: v1(26.5,8.075) 28.6,8.075 30.35,9.825 DD3.44
  Bottom Layer w0.254: XP13.2 23.695,10.88 v1(26.5,8.075)
PE14: DD3.45 XP13.1 | length 29.1
  Top Layer w0.254: v1(27.55,7.075) 28.675,7.075 30.85,9.25 DD3.45
  Bottom Layer w0.254: XP13.1 6.575,7.95 9.175,5.35 18.625,5.35 20.35,7.075 v1(27.55,7.075)
USB_DM: R10.1 X1.2 | length 5.4
  Bottom Layer w0.254: R10.1 40.8,28.525 X1.2
USB_DP: R5.1 X1.3 | length 4.9
  Bottom Layer w0.254: R5.1 40.85,26.6 41.6,27.35 X1.3
V_in: C1.1 C2.1 DD1.3 DD2.3 R3.1 X1.1 X2.1 XP7.9 XP7.10 XP7.11 XP7.12 XP7.13 XP7.14 XP7.15 XP7.16 XP13.9 XP13.10 XP13.11 XP13.12 XP13.13 XP13.14 XP13.15 XP13.16 | length 172.3
  Top Layer w0.254: v1(40.2,11.425) 40.2,8.925 41.675,7.45 X2.1
  Bottom Layer w0.254: C2.1@4.035,29.66 C2.1 ; DD1.3@25.4,31.575 DD1.3 33.6,31.525 34.4,30.725 34.4,28.625 35,28.025 38.2,28.025 40,29.825 X1.1 ; R3.1 40.1,11.525 v1(40.2,11.425)
  Bottom Layer w0.6: 43.1,4.825 45.1,2.825
  Bottom Layer w0.8: C2.1@4.035,29.66 XP13.16 XP13.15 XP13.14 XP13.13 XP13.12 XP13.11 XP13.10 XP13.9 4.035,4.215 5.775,2.475 40.75,2.475 43.1,4.825 X2.1 ; C2.1 4.2,34.15 ; DD2.3 9.388,34.862 8.325,35.925 5.975,35.925 4.2,34.15 ; DD1.3@25.4,31.575 C1.1 25.4,37.325 23.9,38.825 5.7,38.825 4.2,37.325 4.2,34.15 ; 45.1,2.825 50.6,2.825 52.3,4.525 52.3,6.425 51.34,7.385 XP7.16 XP7.15 XP7.14 XP7.13 XP7.12 XP7.11 XP7.10 XP7.9
VCC_5V: C5.1 DD2.2 DD2.4 XP1.1 XP2.1 XP3.1 XP4.1 XP5.1 XP6.1 XP9.1 XP10.1 XP11.1 | length 13.8
  Bottom Layer w0.254: DD2.2 DD2.2@11.9,32.725 ; DD2.4@14.8,35.625 DD2.4 ; C5.1@17.8,32.105 C5.1
  Bottom Layer w0.8: v1(11.2,36.325) 11.9,35.625 ; DD2.2@11.9,32.725 11.9,35.625 ; DD2.4@14.8,35.625 11.9,35.625 ; DD2.4 17.8,33.397 C5.1@17.8,32.105
pads on no net: DD3.1 DD3.2 DD3.3 DD3.6 DD3.7 DD3.8 DD3.9 DD3.15 DD3.16 DD3.17 DD3.18 DD3.21 DD3.22 DD3.33 DD3.34 DD3.37 DD3.38 DD3.39 DD3.41 DD3.43 DD3.46 DD3.57 DD3.58 DD3.65 DD3.77 DD3.86 DD3.87 DD3.95 DD3.96 DD3.97 DD3.98 DD5.2 DD5.3 DD5.4 DD5.5 DD5.11 DD5.12 DD5.14 DD5.15 DD5.16 DD5.17 DD5.19 DD5.21 DD5.22 DD5.25 X1.0 X1.6 XP1.0 XP1.5 XP2.0 XP2.5 XP3.0 XP3.5 XP4.0 XP5.0 XP6.0 XP7.7 XP7.8 XP8.0 XP9.0 XP9.5 XP10.0 XP10.5 XP11.0 XP11.5 XP12.0

## Polygon pours and split planes (outlines as drawn)
VCC_5V on Top Layer "5V_Top" (solid, pour order 14): 2.1,0.5 cw(c2.1,2.1) 0.5,2.1 0.5,38 cw(c2,38) 2,39.5 54.5,39.5 cw(c54.5,38.5) 55.5,38.5 55.5,2 cw(c54,2) 54,0.5
3.3V on Top Layer "3.3_Top_Layer" (solid, pour order 2): 4.6,32.225 4.6,27.925 7.9,27.925 8.6,27.225 8.6,7.725 9.1,7.225 40.6,7.225 41.1,7.725 41.1,32.225 40.6,32.725 5.1,32.725
GND on Bottom Layer "GND" (solid, pour order 10): 0.501,38.269 cw(c3.878,37.581) 0.757,39.043 cw(c2.169,37.468) 1.5,39.475 54.5,39.475 cw(c54.351,37.954) 55.075,39.3 cw(c54.297,38.377) 55.5,38.475 55.5,2 cw(c53.468,2.012) 54.825,0.5 1.625,0.5 cw(c2.926,3.05) 0.7,1.25 0.501,1.755

## Silkscreen, mask and mechanical layers (free items; w line width, h text height)
Top Overlay:
  text "Reset" at 1.45,33.475 h0.5
Mechanical 14:
  lines w0.254: -0.005,1.768 ccw(c1.75,1.755) 1.763,0 ; -0.005,38.269 cw(c1.788,38.281) 1.801,40.075 ; 0,1.755 0,38.281 ; 1.75,0 54.225,0 ; 1.788,40.075 54.363,40.075 ; 54.212,0 ccw(c54.225,1.755) 55.98,1.768 ; 54.352,40.075 cw(c54.363,38.459) 55.98,38.447 ; 55.975,1.755 55.975,38.459

## Text inside footprints (layer, text, board x,y; h text height)
C1: Bottom Overlay "+" at 25.8,34.725 h1
C2: Bottom Overlay "+" at 4.6,31.125 h1
C3: Bottom Overlay "+" at 21.2,29.625 h1 r90
C5: Bottom Overlay "+" at 17.354,33.117 h1 r45
XP7: Top Overlay "1" at 49.25,28.225 h1 r90; Top Overlay "2" at 51.8,28.425 h1 r90
XP13: Top Overlay "1" at 6.125,6.45 h1 r270; Top Overlay "2" at 3.575,6.25 h1 r270